# Altium PCB PCB1.PcbDoc (part 1 of 6)
Units mm, origin at the board's own origin, x right, y up, seen from the top; angles counter-clockwise.
Board outline 298.25 x 690.26 mm, 2 copper layers (Top Layer, Bottom Layer); 51 components, 44 nets, 196 pads, 2408 vias.
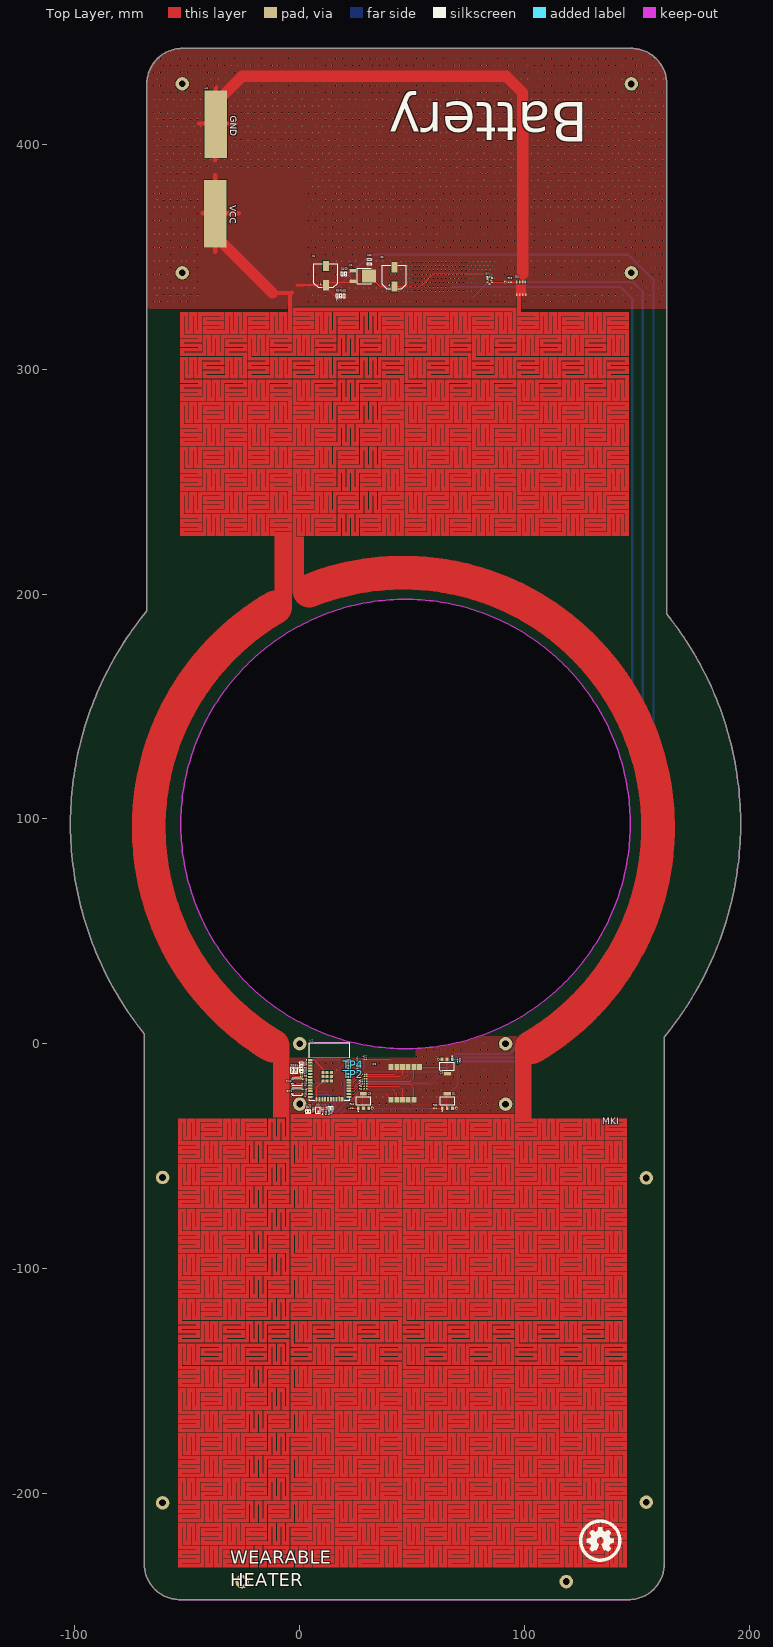
[diagram p0: Top Layer view]
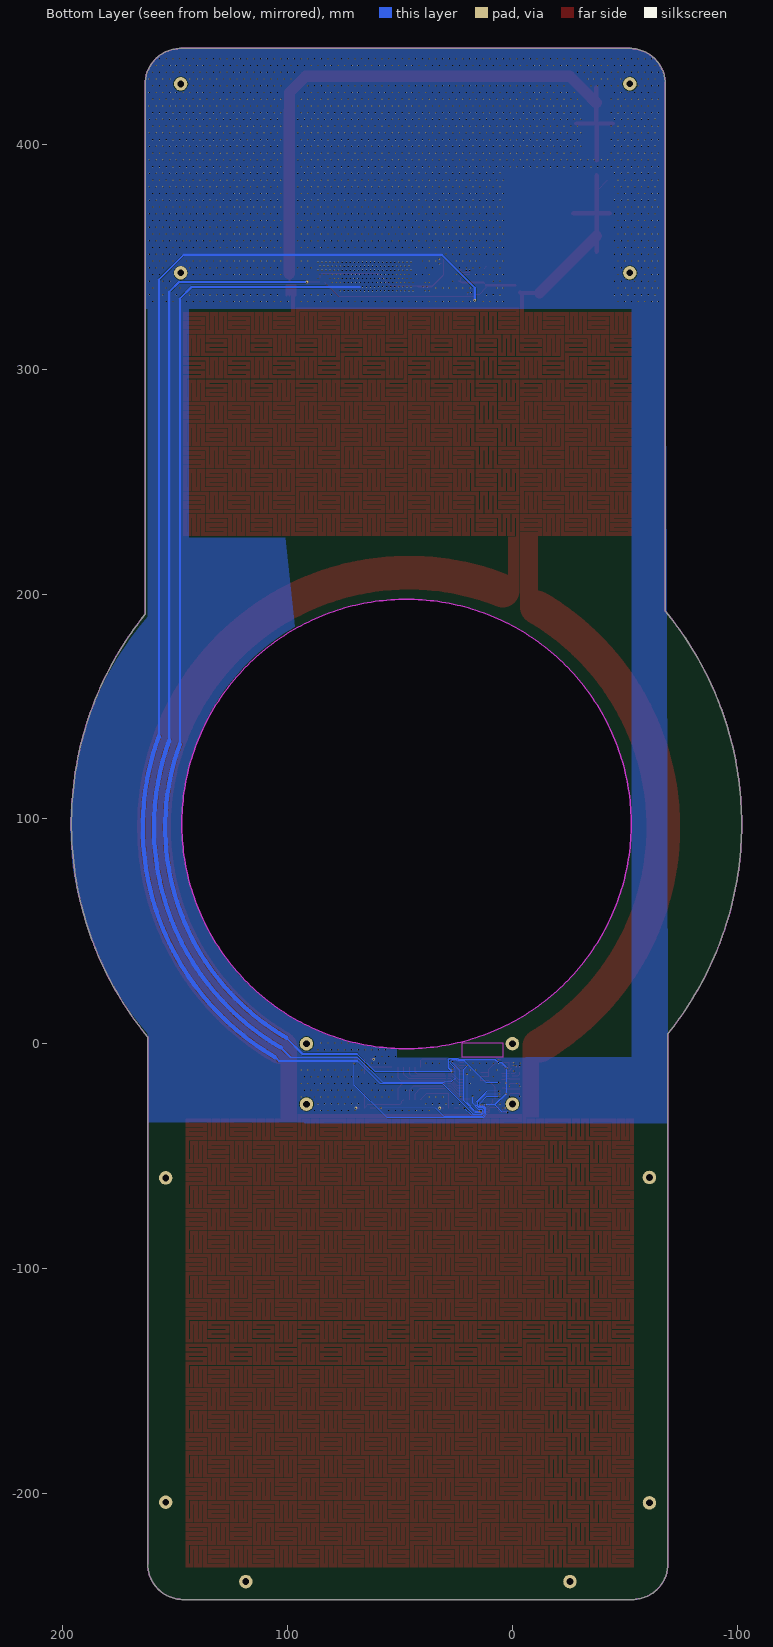
[diagram p1: Bottom Layer view, seen from below]

## Layer stack, top to bottom
Top Solder: solder mask 0.0102, Solder Resist, Dk 3.5
Top Layer: signal copper 0.0356
Dielectric 1: dielectric 0.32, FR-4, Dk 4.8
Bottom Layer: signal copper 0.0356
Bottom Solder: solder mask 0.0102, Solder Resist, Dk 3.5

## Board outline
-69.133,-231.577 cw(c-69.007,-231.574) -69.133,-231.574 -69.133,4.368 cw(c47.122,97.77) -68.008,192.554 -68.008,427.771 cw(c-67.881,427.771) -67.993,427.832 cw(c-52.241,427.135) -52.932,442.887 cw(c-52.882,442.77) -52.882,442.897 -52.632,442.897 cw(c-52.241,427.135) -52.241,442.902 cw(c-52.241,442.775) -52.206,442.897 147.59,442.897 cw(c147.59,442.77) 147.652,442.881 cw(c147.606,427.114) 163.374,427.117 cw(c163.248,427.114) 163.374,427.114 163.374,191.175 cw(c47.122,97.77) 196.249,97.77 cw(c47.122,97.77) 162.249,2.983 162.249,-231.595 cw(c162.247,-231.595) 162.249,-231.596 162.249,-232.231 cw(c162.122,-232.231) 162.234,-232.292 cw(c146.482,-231.595) 147.173,-247.347 cw(c147.123,-247.23) 147.123,-247.357 146.873,-247.357 cw(c146.482,-231.595) 146.482,-247.362 cw(c146.482,-247.235) 146.447,-247.357 -53.349,-247.357 cw(c-53.349,-247.23) -53.411,-247.341 cw(c-53.365,-231.574)
cut-out: 47.122,-2.23 cw(c47.122,97.77) -52.878,97.77 cw(c47.122,97.77) 47.122,197.77 cw(c47.122,97.77) 147.122,97.77 cw(c47.122,97.77)
board region "Layer Stack Region 1": -68.285,192.218 -68.008,192.554 -68.008,427.779 -68.006,427.795 -68.002,427.81 -67.993,427.832 -67.967,428.416 -67.829,429.577 -67.605,430.725 -67.297,431.853 -66.906,432.956 -66.435,434.026 -65.885,435.058 -65.261,436.047 -64.565,436.987 -63.802,437.873 -62.975,438.7 -62.089,439.463 -61.148,440.158 -60.159,440.782 -59.127,441.331 -58.056,441.802 -56.954,442.193 -55.826,442.5 -54.678,442.724 -53.516,442.861 -52.926,442.89 -52.901,442.896 -52.882,442.897 -52.632,442.897 -52.583,442.899 -52.486,442.9 -52.388,442.902 -52.29,442.902 -52.236,442.902 -52.219,442.9 -52.206,442.897 147.598,442.897 147.614,442.895 147.63,442.891 147.652,442.881 148.27,442.88 149.503,442.779 150.724,442.583 151.925,442.291 153.101,441.906 154.242,441.431 155.343,440.867 156.396,440.219 157.395,439.49 158.334,438.686 159.207,437.81 160.009,436.869 160.735,435.868 161.38,434.813 161.941,433.711 162.413,432.568 162.795,431.392 163.083,430.189 163.276,428.968 163.373,427.735 163.374,427.114 163.374,191.312
board region "Layer Stack Region 1": 162.285,3.025 162.249,2.983 162.249,-231.596 162.249,-232.239 162.247,-232.255 162.244,-232.27 162.234,-232.292 162.208,-232.876 162.07,-234.037 161.846,-235.185 161.538,-236.313 161.147,-237.416 160.676,-238.486 160.127,-239.518 159.502,-240.507 158.806,-241.447 158.043,-242.333 157.216,-243.159 156.33,-243.923 155.389,-244.618 154.4,-245.242 153.368,-245.791 152.297,-246.262 151.195,-246.653 150.067,-246.96 148.919,-247.184 147.758,-247.321 147.167,-247.35 147.142,-247.356 147.123,-247.357 146.873,-247.357 146.824,-247.359 146.727,-247.36 146.629,-247.362 146.531,-247.362 146.478,-247.362 146.46,-247.36 146.447,-247.357 -53.357,-247.357 -53.373,-247.355 -53.389,-247.351 -53.411,-247.341 -54.029,-247.34 -55.262,-247.239 -56.483,-247.043 -57.684,-246.751 -58.859,-246.366 -60.001,-245.89 -61.102,-245.327 -62.155,-244.679 -63.154,-243.95 -64.093,-243.146 -64.966,-242.27 -65.768,-241.329 -66.494,-240.328 -67.139,-239.273 -67.7,-238.171 -68.172,-237.028 -68.554,-235.852 -68.842,-234.649 -69.035,-233.428 -69.132,-232.195 -69.133,-231.574 -69.133,4.23
board region "Layer Stack Region 1": 163.374,191.312 163.374,191.175 164.503,189.77 166.692,186.906 168.812,183.99 170.86,181.023 172.836,178.008 174.739,174.946 176.567,171.839 178.32,168.688 179.995,165.496 181.594,162.265 183.113,158.996 184.553,155.691 185.913,152.352 187.192,148.981 188.389,145.581 189.503,142.152 190.535,138.698 191.482,135.219 192.345,131.719 193.123,128.199 193.816,124.661 194.423,121.107 194.944,117.54 195.379,113.961 195.727,110.373 195.988,106.778 196.162,103.177 196.249,99.573 196.249,97.77 196.249,95.936 196.159,92.268 195.979,88.604 195.708,84.945 195.348,81.294 194.898,77.653 194.358,74.024 193.729,70.41 193.012,66.812 192.206,63.233 191.313,59.674 190.332,56.139 189.265,52.629 188.112,49.146 186.873,45.693 185.55,42.271 184.143,38.883 182.653,35.53 181.081,32.215 179.428,28.94 177.695,25.707 175.883,22.517 173.993,19.372 172.026,16.275 169.983,13.228 167.867,10.231 165.677,7.288 163.415,4.399 162.285,3.025 -69.133,4.23 -69.133,4.368 -70.271,5.786 -72.479,8.676 -74.616,11.619 -76.681,14.613 -78.672,17.656 -80.588,20.747 -82.428,23.884 -84.191,27.065 -85.876,30.288 -87.482,33.551 -89.008,36.852 -90.452,40.189 -91.816,43.561 -93.096,46.965 -94.293,50.399 -95.406,53.861 -96.434,57.349 -97.377,60.862 -98.234,64.396 -99.005,67.95 -99.689,71.522 -100.285,75.11 -100.794,78.711 -101.214,82.323 -101.547,85.944 -101.791,89.573 -101.947,93.206 -102.014,96.843 -101.992,100.479 -101.881,104.114 -101.682,107.746 -101.395,111.371 -101.019,114.988 -100.555,118.595 -100.004,122.19 -99.364,125.77 -98.638,129.334 -97.825,132.878 -96.926,136.402 -95.941,139.903 -94.871,143.379 -93.717,146.828 -92.479,150.247 -91.158,153.635 -89.755,156.991 -88.27,160.31 -86.705,163.593 -85.06,166.837 -83.337,170.039 -81.536,173.199 -79.658,176.313 -77.705,179.381 -75.678,182.401 -73.578,185.37 -71.406,188.287 -69.164,191.15 -68.285,192.218

## Design rules (kind name [scope] priority, off if disabled: settings)
Clearance [All] p1: gap=0.25 ignorepadtopadclearanceinfootprint=FALSE
DiffPairsRouting [All] p1: maxlimit=0.254 minlimit=0.254 mostfreqgap=0.254 substack1={A911FAAC-AE10-49AF-AAC5-44D725593256} toplayer_{a911faac-ae10-49af-aac5-44d725593256}_minwidth=0.381 toplayer_{a911faac-ae10-49af-aac5-44d725593256}_maxwidth=0.381 toplayer_{a911faac-ae10-49af-aac5-44d725593256}_prefwidth=0.381 bottomlayer_{a911faac-ae10-49af-aac5-44d725593256}_minwidth=0.381 bottomlayer_{a911faac-ae10-49af-aac5-44d725593256}_maxwidth=0.381 bottomlayer_{a911faac-ae10-49af-aac5-44d725593256}_prefwidth=0.381 toplayer_minwidth=0.381 toplayer_maxwidth=0.381 toplayer_prefwidth=0.381 bottomlayer_minwidth=0.381 bottomlayer_maxwidth=0.381 bottomlayer_prefwidth=0.381 maxuncoupledlength=12.7
HoleSize [All] p1: absolutevalues=TRUE maxlimit=5 minlimit=0.025 maxpercent=80.000 minpercent=20.000
PasteMaskExpansion [All] p1: expansion=-0.1
PlaneConnect [All] p1: planeconnectstyle=Direct reliefexpansion=0.508 reliefentries=4 reliefconductorwidth=0.254 reliefairgap=0.254
PolygonConnect PolygonConnect_1 [iSvIA] p1: connectstyle=Direct reliefconductorwidth=0.254 reliefentries=4 polygonreliefangle="90 Angle" airgapwidth=0.254
PolygonConnect [All] p2: connectstyle=Relief reliefconductorwidth=0.254 reliefentries=4 polygonreliefangle="90 Angle" airgapwidth=0.254
RoutingVias [All] p1: holewidth=0.711 width=1.27 viastyle="Through Hole" minholewidth=0.711 minwidth=1.27 maxholewidth=0.711 maxwidth=1.27
SolderMaskExpansion [All] p1: expansion=0 istentingtop=FALSE
Width [All] p1: maxlimit=40 minlimit=0.254 preferedwidth=0.3 substack1={A911FAAC-AE10-49AF-AAC5-44D725593256} toplayer_{a911faac-ae10-49af-aac5-44d725593256}_maxwidth=0.254 toplayer_{a911faac-ae10-49af-aac5-44d725593256}_prefwidth=0.254 bottomlayer_{a911faac-ae10-49af-aac5-44d725593256}_maxwidth=0.254 bottomlayer_{a911faac-ae10-49af-aac5-44d725593256}_prefwidth=0.254
26 further rules are at their usual default settings.

## Components (designator, comment, footprint, x,y, rotation, side; value= is the part's Value field where it differs from the comment)
C1 "UBC1H470MNS1GS" UBC1H470MNS1GS 11.64,341.772 r90 top
C2 "UBC1H470MNS1GS" UBC1H470MNS1GS 42.12,341.264 r90 top
C3 "100nF" RESC1005X03N 20.53,342.661 r270 top
C4 "10nF" RESC1005X03N 19.006,342.661 r270 top
C5 "100nF" RESC1005X03N 19.768,332.906 r90 top
C6 "1uF" RESC1005X03N 0.845,-12.246 r180 top
C7 "100nF" RESC1005X03N 0.845,-9.706 r180 top
C8 "10nF" RESC1005X03N 0.845,-8.539 r180 top
C9 "10nF" RESC1005X03N 3.217,-30.081 r90 top
C10 "100nF" RESC1005X03N 4.398,-30.081 r90 top
C11 "10nF" RESC1005X03N 31.089,347.106 r180 top
C12 "100nF" RESC1005X03N 31.089,349.138 r180 top
D1 "'LTST-C190KFKT" RESC1608X04N -1.632,-11.767 r90 top
D2 "'LTST-C190KFKT" RESC1608X04N -3.267,-11.767 r90 top
D3 "SDTC39B2W" SDTC39B2W 52.381,-8.724 r180 top
D* "DSL70E6327HTSA1" SOT190P240X110-4N 84.538,339.764 r0 top
H1 "H2P2.54" Battery_12V -37.382,389.294 r180 top
J1 "H5P1.27" H5P1.27P 25.715,-10.024 r270 top
Q1 "ZXMN4A06GTA" FP-SOT223-MFG 65.615,-10.121 r270 top
Q2 "ZXMN4A06GTA" FP-SOT223-MFG 65.742,-25.488 r90 top
Q3 "ZXMN4A06GTA" FP-SOT223-MFG 28.404,-25.488 r90 top
Q4 "BSC0906NS" INF-PG-TDSON-8-1_V 98.587,336.107 r180 top
R1 "35k" RESC1005X03N 16.72,332.906 r270 top
R2 "10k" RESC1005X03N 0.84,-10.91 r0 top
R3 "10k" RESC1005X03N 18.244,332.906 r270 top
R4 "5k" RESC1005X03N 14.431,-28.715 r270 top
R5 "RC0402FR-07150RL" RESC1005X40X25ML05T10 29.305,-18.964 r180 top
R6 "RC0402FR-07150RL" RESC1005X40X25ML05T10 29.311,-20.084 r180 top
R7 "RC0402FR-07150RL" RESC1005X40X25ML05T10 0.886,-13.436 r0 top
R8 "RC0402FR-07150RL" RESC1005X40X25ML05T10 29.293,-14.558 r180 top
R9 "RC0402FR-07150RL" RESC1005X40X25ML05T10 0.878,-14.575 r0 top
R10 "5k" RESC1005X03N 13.161,-28.715 r90 top
R11 "RC0402FR-07150RL" RESC1005X40X25ML05T10 29.293,-15.682 r180 top
R12 "RC0402FR-07150RL" RESC1005X40X25ML05T10 29.166,-6.819 r180 top
R13 "RC0402FR-07150RL" RESC1005X40X25ML05T10 29.311,-17.868 r180 top
R14 "RC0402FR-07150RL" RESC1005X40X25ML05T10 29.351,-13.493 r180 top
R15 "RC0402FR-07150RL" RESC1005X40X25ML05T10 29.311,-16.77 r180 top
R16 "10k" RESC1005X40X25ML5T10 2.846,-20.696 r270 top
R17 "10k" RESC1005X40X25ML5T10 2.846,-16.076 r270 top
R18 "10k" RESC1005X40X25ML5T10 11.891,-28.715 r90 top
R19 "RC0402FR-07150RL" RESC1005X40X25ML05T10 93.588,338.932 r0 top
R20 "RC0402FR-07150RL" RESC1005X40X25ML05T10 70.314,-7.456 r90 top
R21 "RC0402FR-07150RL" RESC1005X40X25ML05T10 60.281,-28.688 r0 top
R22 "RC0402FR-07150RL" RESC1005X40X25ML05T10 23.177,-28.715 r0 top
SW1 "PTS815 SJK 250 SMTR LFS" "PTS815 SJK 250 SMTR LFS" -0.848,-19.993 r180 top
SW2 "PTS815 SJK 250 SMTR LFS" "PTS815 SJK 250 SMTR LFS" -0.848,-15.503 r180 top
TP2 "TESTPAD" TESTPAD 23.963,-13.493 r180 top
TP4 "TESTPAD" TESTPAD 23.963,-9.256 r90 top
U1 "NCP1117DT33RKG" FP-369C-MFG 28.023,341.645 r270 top
U2 "ESP32-WROOM-32" FP-ESP32-WROOM-32-MFG 13.253,-12.426 r0 top
U3 "MCP9808-E/MS" MCHP-MSOP-MS8_L 8.078,-29.531 r180 top

## Footprints (in the part's own frame and the unit in brackets; to place one, negate y for a bottom-side part, rotate by r counter-clockwise, add the part's x,y. Pads: shape width x height; smd on the part's side, far side on the other; paste and mask are expansions set on the pad)
Battery_12V [mm]
  rect 10x30 smd: 1(-0.063,-19.875) 2(0.063,19.875)
FP-369C-MFG [mm]
  rect 1.6x3 smd paste+0 mask+0: 1(-2.285,-4.3) 3(2.285,-4.3)
  rect 5.8x6.2 smd paste+0 mask+0: 4(0,2.79)
  silkscreen extent -3.36,-2.28 3.36,3.94, body extent -3.46,-5.9 3.46,5.99, height 0.25
FP-ESP32-WROOM-32-MFG [mm]
  rect 2x0.9 smd paste+0 mask+0: 1(-8.5,5.26) 2(-8.5,3.99) 3(-8.5,2.72) 4(-8.5,1.45) 5(-8.5,0.18) 6(-8.5,-1.09) 7(-8.5,-2.36) 8(-8.5,-3.63) 9(-8.5,-4.9) 10(-8.5,-6.17) 11(-8.5,-7.44) 12(-8.5,-8.71) 13(-8.5,-9.98) 14(-8.5,-11.25) 25(8.5,-11.25) 26(8.5,-9.98) 27(8.5,-8.71) 28(8.5,-7.44) 29(8.5,-6.17) 30(8.5,-4.9) 31(8.5,-3.63) 32(8.5,-2.36) 33(8.5,-1.09) 34(8.5,0.18) 35(8.5,1.45) 36(8.5,2.72) 37(8.5,3.99) 38(8.5,5.26)
  rect 0.9x2 smd paste+0 mask+0: 15(-5.715,-12.25) 16(-4.445,-12.25) 17(-3.175,-12.25) 18(-1.905,-12.25) 19(-0.635,-12.25) 20(0.635,-12.25) 21(1.905,-12.25) 22(3.175,-12.25) 23(4.445,-12.25) 24(5.715,-12.25)
  rect 1.33x1.33 smd paste+0 mask+0: 39(-2.835,-4.075) 39(-2.835,-2.24) 39(-2.835,-0.405) 39(-1,-4.075) 39(-1,-2.24) 39(-1,-0.405) 39(0.835,-4.075) 39(0.835,-2.24) 39(0.835,-0.405)
  Keep-Out Layer region: -9,6.45 9,6.45 9,12.75 -9,12.75
  Keep-Out Layer region: -9,6.45 9,6.45 9,12.75 -9,12.75
  silkscreen extent -10.25,-12.8 9.05,12.8, body extent -9.6,-13.35 9.6,12.9, height 0.25
FP-SOT223-MFG [mm]
  rect 1.6x1.2 smd paste+0 mask+0: 1(-3.2,2.3) 2(-3.2,0) 3(-3.2,-2.3)
  rect 1.6x3.3 smd paste+0 mask+0: 4(3.2,0)
  silkscreen extent -4.67,-3.27 1.78,3.27, body extent -4.1,-3.37 4.1,3.37, height 0.25
H5P1.27P [mm]
  round 1 smd: 1(-2.54,0) 3(0,0) 4(1.27,0) 5(2.54,0)
  round 1 smd mask+0: 2(-1.27,0)
INF-PG-TDSON-8-1_V [mm] "TDSON, 8-Leads, Body 6.15x5.15mm, Pitch 1.27mm"
  rect 0.65x1.2 smd: 1(-1.905,-2.825) 2(-0.635,-2.825) 3(0.635,-2.825) 4(1.905,-2.825) 5(2.007,2.794) 6(0.66,2.794) 7(-0.66,2.794) 8(-2.007,2.794)
  Top Layer region: 0.315,2.925 1.015,2.925 1.015,3.425 0.315,3.425
  Top Layer region: -1.015,2.925 -0.315,2.925 -0.315,3.425 -1.015,3.425
  Top Layer region: 1.65,2.925 2.35,2.925 2.35,3.425 1.65,3.425
  Top Layer region: -2.35,2.925 -1.65,2.925 -1.65,3.425 -2.35,3.425
  Top Layer region: -2.35,2.925 -2.35,-1.575 2.35,-1.575 2.35,2.925
  silkscreen extent -2.23,-3.94 -2.03,-3.74, body extent -2.58,-3.08 2.58,3.08, height 1
MCHP-MSOP-MS8_L [mm] "SOP, 8-Leads, Body 3x3mm, Pitch 0.65mm, IPC High Density"
  oval 1.3x0.4 smd: 1(-2.05,0.975) 2(-2.05,0.325) 3(-2.05,-0.325) 4(-2.05,-0.975) 5(2.05,-0.975) 6(2.05,-0.325) 7(2.05,0.325) 8(2.05,0.975)
  silkscreen extent -2.18,-1.5 1,1.87, body extent -1.5,-1.5 1.5,1.5, height 1.1
"PTS815 SJK 250 SMTR LFS" [mm]
  rect 1x0.7 smd: 1(-2.109,2.373) 1(2.391,2.373) 2(-2.109,0.223) 2(2.391,0.223)
  Top Layer lines w0.25: 2.391,2.373 -2.109,2.373 ; 2.391,0.223 -2.109,0.223
  silkscreen extent -2.11,-0.3 2.39,2.89, body extent -2.08,-0.3 2.42,2.9, height 2.4
RESC1005X03N [mm] "Chip Resistor, 2-Leads, Body 1.00x0.50mm, IPC Medium Density"
  rect 0.5x0.55 smd: 1(-0.475,0) 2(0.475,0)
  silkscreen extent -0.9,-0.45 0.9,0.45, body extent -0.5,-0.25 0.5,0.25, height 0.3
RESC1005X40X25ML05T10 [mm] "Chip Resistor, 2-Leads, Body 1.00x0.50mm, IPC Low Density"
  rect 0.7x0.65 smd: 1(-0.475,0) 2(0.475,0)
  body extent -0.53,-0.27 0.53,0.28, height 0.4
RESC1005X40X25ML5T10 [mm] "Chip Resistor, 2-Leads, Body 1.05x0.55mm, IPC Low Density"
  rect 0.7x0.65 smd: 1(-0.475,0) 2(0.475,0)
  body extent -0.53,-0.28 0.53,0.28, height 0.4
RESC1608X04N [mm] "Chip Resistor, 2-Leads, Body 1.60x0.80mm, IPC Medium Density"
  rect 0.7x0.85 smd: 1(-0.825,0) 2(0.825,0)
  silkscreen extent -1.45,-0.7 1.45,0.7, body extent -0.8,-0.4 0.8,0.4, height 0.4
SDTC39B2W [mm]
  rect 2.2x2.5 smd: 1(-1.016,1.651) 2(1.524,1.651) 3(4.064,1.651) 4(6.604,1.651) 5(9.144,1.651) 6(11.684,1.651) 7(11.684,16.151) 8(9.144,16.151) 9(6.604,16.151) 10(4.064,16.151) 11(1.524,16.151)
  body extent -9.37,1.4 20.03,16.4, height 3.8
SOT190P240X110-4N [mm] "SOT143, 4-Leads, Body 2.90x2.40mm, Pitch 1.90mm, IPC Medium Density"
  rect 0.9x1.2 smd: 1(-1,0.75)
  rect 0.9x0.8 smd: 2(-1,-0.95) 3(1,-0.95) 4(1,0.95)
  silkscreen extent -1.05,-1.5 0.7,1.7, body extent -0.7,-1.5 0.7,1.5, height 1.1
TESTPAD [mm]
  round 1 smd paste-5: 1(0,0)
UBC1H470MNS1GS [mm] "Aluminum Electrolytic Capacitor, Body 10.30x10.30x11.00mm, IPC Low Density"
  rect 4.5x2.7 smd: 1(-4.275,0) 2(4.275,0)
  silkscreen extent -5.25,-5.25 5.25,5.25, body extent -5.25,-5.25 5.25,5.25, height 11

## Part data
C3 C4 C5 C6 C7 C8 C9 C10 C11 C12: library part CAP
D1 D2: library part LED
Q1 Q2 Q3: library part CMP-12801-000020-1, "MOSFET N-CH 40V 5A SOT223", Continuous Drain Current=5A, Drain To Source Breakdown Voltage=40V, Drain To Source Resistance=0.05Ω, Gate To Source Voltage=20V, Input Capacitace At Vds="770pF @ 40V", Manufacturer="Diodes Inc.", Max Forward Diode Voltage=0.95V, Max Junction Temp=+150°C, Package=SOT223, Power Dissipation=2W, Pulse Drain Current=22A, Temperature="-55°C to +150°C", Temperature Range Low=-55°C, Typ Forward Diode Voltage=0.8V, Automotive=Yes, Automotive Grade="Grade 0", Category=Trans, ComponentLink2Description=Datasheet, ComponentLink2URL=https://www.diodes.com/assets/Datasheets/ZXMN4A06G.pdf, Depletion Mode=False, Device Class L1="Discrete Semiconductors", Device Class L2=Transistors, Device Class L3=MOSFETs, Digikey Description="MOSFET N-CH 40V 5A SOT223", Drain To Source Voltage=40V, Footprint Url=https://www.diodes.com/assets/Package-Files/SOT223.pdf, Gate Charge At Vgs="18.2nC @ 10V", Height=1.8mm, Ipc Land Pattern Name=SOT230P700X180-4, Lead Free=Yes, Manufacturer Part Number=ZXMN4A06GTA, Mouser Description="MOSFET 40V N-Chnl UMOS", Number Of Channels=1, Number Of N Channels=1, Octopart=https://octopart.com/zxmn4a06gta-diodes+inc.-660114, Reverse Recovery Charge=16.36nC, Reverse Recovery Time=19.86ns, RoHS=TRUE, Rthja Max=62.5°C/W, Standoff Height=0.01mm, Temperature Range High=+150°C, Threshold Vgs Max=2V, Threshold Vgs Min=1V, Transconductance=8.7S, Turn Off Delay Time=28.61ns, Turn On Delay Time=2.55ns
Q4: library part CMP-1090-00064-1, "N-Channel OptiMOS Power-MOSFET, 30 V VDS, 63 A ID, -55 to 150 degC, PG-TDSON-8-1, Reel, Green", Manufacturer=Infineon, ComponentLink1Description="Manufacturer URL", ComponentLink1URL=http://www.infineon.com/, ComponentLink2Description=Datasheet, ComponentLink2URL=http://www.infineon.com/dgdl/BSC0906NS_Rev+2.pdf?folderId=db3a304313b8b5a60113cee8763b02d7&fileId=db3a30433072cd8f0130986c816b2f8c, ComponentLink3Description="Package Specification", ComponentLink3URL=http://www.infineon.com/cms/packages/SMD_-_Surface_Mounted_Devices/P-PG-TDSON/P-PG-TDSON-08-01x_2x_3.html?__locale=en, DatasheetVersion="Rev. 2.0", Green=TRUE, Halogen-free=TRUE, ID (max)="63Â A", IDpuls (max)="252Â A", Mounting Technology="Surface Mount", PackageDescription="8-Pin Plastic (Green) Thin Dual Small Outline Non-Leaded Package, 5.15 x 5.9 mm Body, 1.27 mm Pitch", PackageReference=PG-TDSON-8-1, Packing=Reel, PartNumber=BSC0906NS, Polarity=N, Ptot (max)="30Â W", QG="6.7Â nC", RDS (on) (max)="4.5Â mOhm", RDS (on) (max) (@4.5V)="6.4Â mOhm", Rth="4.2Â K/W", RthJA (max)="50Â K/W", RthJC (max)="4.2Â K/W", VDS (max)="30Â V", VGS(th) (max)="2Â V", VGS(th) (min)="1.2Â V"
R1 R2 R3 R4 R10: library part RES
R5 R6 R7 R8 R9 R11 R12 R13 R14 R15 R19 R20 R21 R22: library part CMP-2002-07401-1, Manufacturer="Yageo / Phycomp", Part Number=RC0402FR-07150RL
R16 R17 R18: library part CMP-2002-07915-2, "'RC0402JR-0710KL", Case Code (Imperial)=0402, Case Code (Metric)=1005, Max Operating Temperature="155 degC", Min Operating Temperature="-55 degC", Package Quantity=10000, Power Rating="63 mW", Resistance="10 kohm", Tolerance=5%, Voltage Rating="50 V", Case\Package=0402, ComponentLink1Description="Manufacturer URL", ComponentLink1URL=http://www.yageo.com/, ComponentLink2Description=Datasheet, ComponentLink2URL=http://www.yageo.com/documents/recent/PYu-RC_Group_51_RoHS_L_04.pdf, DatasheetVersion="Rev. 4, 02/2016", Height="0.35 mm", Length="1 mm", Mount="Surface Mount", Mounting Technology="Surface Mount", PackageDescription="2-Pin Surface Mount Device, Body 1 x 0.5 mm", PackageReference=0402, Packaging="Tape and Reel", Pins=2, REACH SVHC="No SVHC", RoHSCompliant=true, Voltage Rating (DC)="50 V", Width="0.5 mm"
U1: library part CMP-07128-000036-1, "IC REG LINEAR 3.3V 1A DPAK-3", Case/Package=DPAK, Current Rating=1A, Dropout Voltage=1.07V, Input Bias Current=6mA, Max Input Voltage=20V, Max Operating Temperature=125°C, Min Input Voltage=10V, Min Operating Temperature=0°C, Min Output Voltage=3.3V, Output Voltage Accuracy=1%, Package Quantity=1, Quiescent Current=10mA, Reference Voltage=1.27V, Accuracy=1%, Contact Plating=Tin, Halogen Free="Halogen Free", Height=2.38mm, Lead Free="Lead Free", Length=6.73mm, Max Output Current=1A, Min Current Limit=1A, Mount="Surface Mount", Nominal Output Voltage=3.3V, Number Of Outputs=1, Number of Pins=3, Number of Regulators=1, Output Current=1A, Output Type=Fixed, Output Voltage=3.3V, Packaging="Tape and Reel", Polarity=Positive, Radiation Hardening=No, REACH SVHC="No SVHC", Width=6.22mm
U2: library part CMP-194065-000008-1, "RX TXRX MOD WIFI SURFACE MOUNT", Case/Package=SMD/SMT, Frequency=2.5GHz, Max Operating Temperature=85°C, Min Operating Temperature=-40°C, Operating Supply Voltage=3.6V, Package Quantity=550, Data Rate=150Mbps, Mount="Surface Mount", Packaging="Cut Tape", Sensitivity=-98dBm, Weight=0.088185oz
U3: library part CMP-0192-00344-1, "+ / - 0.5 degC Maximum Accuracy Digital Temperature Sensor, 400 uA, 2.7 to 5.5 V, -40 to 125 degC, 8-pin MSOP (MS8), Tube", Manufacturer=Microchip, ComponentLink1Description="Manufacturer URL", ComponentLink1URL=http://www.microchip.com, ComponentLink2Description=Datasheet, ComponentLink2URL=http://ww1.microchip.com/downloads/en/DeviceDoc/25095A.pdf, ComponentLink3Description="Package Specification", ComponentLink3URL=http://www.microchip.com/stellent/groups/techpub_sg/documents/packagingspec/en012702.pdf, ComponentLink4Description="Product URL", ComponentLink4URL=http://www.microchip.com/MCP9808, DatasheetVersion="Rev. A", Mounting Technology="Surface Mount", PackageDescription="8-Lead Plastic Micro Small Outline Package, 3 x 3 mm Body, 0.65 mm Pitch", PackageReference=MSOP-MS8, PackageVersion=C04-111C, PartNumber=MCP9808-E/MS

## Free pads (board coordinates)
  round 6 hole 3: ""(-60.98,-204.323) ""(-60.971,-59.525) ""(-52.241,343.025) ""(-52.241,427.135) ""(-25.603,-239.348) ""(0,-26.86) ""(0,0) ""(91.65,-26.885) ""(91.65,-0.024) ""(118.648,-239.342) ""(147.606,343.028) ""(147.606,427.114) ""(154.274,-204.037) ""(154.276,-59.725)

## Via types
v1: diameter 0.6, hole 0.3, Top Layer to Bottom Layer, tented both sides, 2403 vias
v2: diameter 1.27, hole 0.711, Top Layer to Bottom Layer, tented both sides, 5 vias